# Allegro board LED_FIN.brd (continued)
## Routing (per net, layer and track width the routed paths; a pad name or vN(x,y) marks a point on that pad's centre or on a via; arc(x,y) is an arc through that point) (continued)
COL_OUT_C48: length 257.5
  TOP w0.15: D11592.1 v1(181.25,228.8) ; D12402.1 v1(181.25,174.8) ; D11952.1 v1(181.25,204.8) ; D11682.1 v1(181.25,222.8) ; D11442.1 v1(181.25,238.8) ; D11562.1 v1(181.25,230.8) ; D12222.1 v1(181.25,186.8) ; D12462.1 v1(181.25,170.8) ; D11772.1 v1(181.25,216.8) ; D11892.1 v1(181.25,208.8) ; R312.1 180.7,10.6 v1(181.25,10.6) ; D12192.1 v1(181.25,188.8) ; D12012.1 v1(181.25,200.8) ; D11532.1 v1(181.25,232.8) ; D12492.1 v1(181.25,168.8) ; D11862.1 v1(181.25,210.8) ; D11742.1 v1(181.25,218.8) ; D11652.1 v1(181.25,224.8) ; D12102.1 v1(181.25,194.8) ; D12342.1 v1(181.25,178.8) ; D12522.1 v1(181.25,166.8) ; D12312.1 v1(181.25,180.8) ; D12432.1 v1(181.25,172.8) ; D11802.1 v1(181.25,214.8) ; D12162.1 v1(181.25,190.8) ; D11712.1 v1(181.25,220.8) ; D11472.1 v1(181.25,236.8) ; D12372.1 v1(181.25,176.8) ; D12252.1 v1(181.25,184.8) ; D12042.1 v1(181.25,198.8) ; D11502.1 v1(181.25,234.8) ; D11412.1 v1(181.25,240.8) ; D11922.1 v1(181.25,206.8) ; D12282.1 v1(181.25,182.8) ; D11622.1 v1(181.25,226.8) ; D12072.1 v1(181.25,196.8) ; D12132.1 v1(181.25,192.8) ; D11982.1 v1(181.25,202.8) ; D11832.1 v1(181.25,212.8)
  BOTTOM w0.15: v1(181.25,10.6) 181.38,10.73 181.38,41.77 181.28,41.87 181.28,166.77 v1(181.25,166.8) v1(181.25,168.8) v1(181.25,170.8) v1(181.25,172.8) v1(181.25,174.8) v1(181.25,176.8) v1(181.25,178.8) v1(181.25,180.8) v1(181.25,182.8) v1(181.25,184.8) v1(181.25,186.8) v1(181.25,188.8) v1(181.25,190.8) v1(181.25,192.8) v1(181.25,194.8) v1(181.25,196.8) v1(181.25,198.8) v1(181.25,200.8) v1(181.25,202.8) v1(181.25,204.8) v1(181.25,206.8) v1(181.25,208.8) v1(181.25,210.8) v1(181.25,212.8) v1(181.25,214.8) v1(181.25,216.8) v1(181.25,218.8) v1(181.25,220.8) v1(181.25,222.8) v1(181.25,224.8) v1(181.25,226.8) v1(181.25,228.8) v1(181.25,230.8) v1(181.25,232.8) v1(181.25,234.8) v1(181.25,236.8) v1(181.25,238.8) v1(181.25,240.8)
COL_OUT_C49: length 258
  TOP w0.15: D12071.1 v1(179.25,196.8) ; D11561.1 v1(179.25,230.8) ; D11501.1 v1(179.25,234.8) ; D11921.1 v1(179.25,206.8) ; D11531.1 v1(179.25,232.8) ; D11951.1 v1(179.25,204.8) ; D12371.1 v1(179.25,176.8) ; D12431.1 v1(179.25,172.8) ; D11741.1 v1(179.25,218.8) ; D12341.1 v1(179.25,178.8) ; D12311.1 v1(179.25,180.8) ; D12041.1 v1(179.25,198.8) ; D12491.1 v1(179.25,168.8) ; D11441.1 v1(179.25,238.8) ; D12191.1 v1(179.25,188.8) ; D12101.1 v1(179.25,194.8) ; D11471.1 v1(179.25,236.8) ; D12401.1 v1(179.25,174.8) ; D12011.1 v1(179.25,200.8) ; D12281.1 v1(179.25,182.8) ; D12521.1 v1(179.25,166.8) ; D12461.1 v1(179.25,170.8) ; D11771.1 v1(179.25,216.8) ; D11801.1 v1(179.25,214.8) ; D11681.1 v1(179.25,222.8) ; D11621.1 v1(179.25,226.8) ; D11711.1 v1(179.25,220.8) ; D12221.1 v1(179.25,186.8) ; D11981.1 v1(179.25,202.8) ; D12161.1 v1(179.25,190.8) ; D12131.1 v1(179.25,192.8) ; R311.1 178.7,10.6 v1(179.25,10.6) ; D11861.1 v1(179.25,210.8) ; D12251.1 v1(179.25,184.8) ; D11411.1 v1(179.25,240.8) ; D11651.1 v1(179.25,224.8) ; D11831.1 v1(179.25,212.8) ; D11591.1 v1(179.25,228.8) ; D11891.1 v1(179.25,208.8)
  BOTTOM w0.15: v1(179.25,10.6) 179.25,11.1 178.91,11.44 178.91,41.77 179.16,42.02 179.16,129.63 178.81,129.98 178.81,131.75 179.25,132.19 v1(179.25,166.8) v1(179.25,168.8) v1(179.25,170.8) v1(179.25,172.8) v1(179.25,174.8) v1(179.25,176.8) v1(179.25,178.8) v1(179.25,180.8) v1(179.25,182.8) v1(179.25,184.8) v1(179.25,186.8) v1(179.25,188.8) v1(179.25,190.8) v1(179.25,192.8) v1(179.25,194.8) v1(179.25,196.8) v1(179.25,198.8) v1(179.25,200.8) v1(179.25,202.8) v1(179.25,204.8) v1(179.25,206.8) v1(179.25,208.8) v1(179.25,210.8) v1(179.25,212.8) v1(179.25,214.8) v1(179.25,216.8) v1(179.25,218.8) v1(179.25,220.8) v1(179.25,222.8) v1(179.25,224.8) v1(179.25,226.8) v1(179.25,228.8) v1(179.25,230.8) v1(179.25,232.8) v1(179.25,234.8) v1(179.25,236.8) v1(179.25,238.8) v1(179.25,240.8)
COL_OUT_C50: length 257.7
  TOP w0.15: D12010.1 v1(177.25,200.8) ; D11440.1 v1(177.25,238.8) ; D11890.1 v1(177.25,208.8) ; D11500.1 v1(177.25,234.8) ; D12340.1 v1(177.25,178.8) ; D12160.1 v1(177.25,190.8) ; R310.1 176.7,10.6 v1(177.25,10.6) ; D11710.1 v1(177.25,220.8) ; D11830.1 v1(177.25,212.8) ; D11530.1 v1(177.25,232.8) ; D11680.1 v1(177.25,222.8) ; D11770.1 v1(177.25,216.8) ; D11860.1 v1(177.25,210.8) ; D11410.1 v1(177.25,240.8) ; D12490.1 v1(177.25,168.8) ; D12130.1 v1(177.25,192.8) ; D12400.1 v1(177.25,174.8) ; D11470.1 v1(177.25,236.8) ; D12070.1 v1(177.25,196.8) ; D12520.1 v1(177.25,166.8) ; D12100.1 v1(177.25,194.8) ; D11740.1 v1(177.25,218.8) ; D12220.1 v1(177.25,186.8) ; D12190.1 v1(177.25,188.8) ; D12040.1 v1(177.25,198.8) ; D11980.1 v1(177.25,202.8) ; D11620.1 v1(177.25,226.8) ; D12430.1 v1(177.25,172.8) ; D12310.1 v1(177.25,180.8) ; D12250.1 v1(177.25,184.8) ; D11950.1 v1(177.25,204.8) ; D11590.1 v1(177.25,228.8) ; D11560.1 v1(177.25,230.8) ; D11920.1 v1(177.25,206.8) ; D12460.1 v1(177.25,170.8) ; D12370.1 v1(177.25,176.8) ; D12280.1 v1(177.25,182.8) ; D11650.1 v1(177.25,224.8) ; D11800.1 v1(177.25,214.8)
  BOTTOM w0.15: v1(177.25,10.6) 177.25,11.1 177.57,11.42 177.57,41.77 177.47,41.87 177.47,131.75 177.25,131.97 v1(177.25,166.8) v1(177.25,168.8) v1(177.25,170.8) v1(177.25,172.8) v1(177.25,174.8) v1(177.25,176.8) v1(177.25,178.8) v1(177.25,180.8) v1(177.25,182.8) v1(177.25,184.8) v1(177.25,186.8) v1(177.25,188.8) v1(177.25,190.8) v1(177.25,192.8) v1(177.25,194.8) v1(177.25,196.8) v1(177.25,198.8) v1(177.25,200.8) v1(177.25,202.8) v1(177.25,204.8) v1(177.25,206.8) v1(177.25,208.8) v1(177.25,210.8) v1(177.25,212.8) v1(177.25,214.8) v1(177.25,216.8) v1(177.25,218.8) v1(177.25,220.8) v1(177.25,222.8) v1(177.25,224.8) v1(177.25,226.8) v1(177.25,228.8) v1(177.25,230.8) v1(177.25,232.8) v1(177.25,234.8) v1(177.25,236.8) v1(177.25,238.8) v1(177.25,240.8)
COL_OUT_C51: length 257.6
  TOP w0.15: D12009.1 v1(175.25,200.8) ; R309.1 174.7,10.6 v1(175.25,10.6) ; D11859.1 v1(175.25,210.8) ; D11829.1 v1(175.25,212.8) ; D11469.1 v1(175.25,236.8) ; D11559.1 v1(175.25,230.8) ; D12339.1 v1(175.25,178.8) ; D11499.1 v1(175.25,234.8) ; D11739.1 v1(175.25,218.8) ; D12189.1 v1(175.25,188.8) ; D11679.1 v1(175.25,222.8) ; D11889.1 v1(175.25,208.8) ; D11979.1 v1(175.25,202.8) ; D11799.1 v1(175.25,214.8) ; D12129.1 v1(175.25,192.8) ; D12099.1 v1(175.25,194.8) ; D11619.1 v1(175.25,226.8) ; D11709.1 v1(175.25,220.8) ; D12249.1 v1(175.25,184.8) ; D11439.1 v1(175.25,238.8) ; D12459.1 v1(175.25,170.8) ; D12309.1 v1(175.25,180.8) ; D12489.1 v1(175.25,168.8) ; D12369.1 v1(175.25,176.8) ; D11769.1 v1(175.25,216.8) ; D12519.1 v1(175.25,166.8) ; D12039.1 v1(175.25,198.8) ; D12279.1 v1(175.25,182.8) ; D11589.1 v1(175.25,228.8) ; D11919.1 v1(175.25,206.8) ; D11529.1 v1(175.25,232.8) ; D12069.1 v1(175.25,196.8) ; D11649.1 v1(175.25,224.8) ; D11409.1 v1(175.25,240.8) ; D12429.1 v1(175.25,172.8) ; D11949.1 v1(175.25,204.8) ; D12219.1 v1(175.25,186.8) ; D12159.1 v1(175.25,190.8) ; D12399.1 v1(175.25,174.8)
  BOTTOM w0.15: v1(175.25,240.8) v1(175.25,238.8) v1(175.25,236.8) v1(175.25,234.8) v1(175.25,232.8) v1(175.25,230.8) v1(175.25,228.8) v1(175.25,226.8) v1(175.25,224.8) v1(175.25,222.8) v1(175.25,220.8) v1(175.25,218.8) v1(175.25,216.8) v1(175.25,214.8) v1(175.25,212.8) v1(175.25,210.8) v1(175.25,208.8) v1(175.25,206.8) v1(175.25,204.8) v1(175.25,202.8) v1(175.25,200.8) v1(175.25,198.8) v1(175.25,196.8) v1(175.25,194.8) v1(175.25,192.8) v1(175.25,190.8) v1(175.25,188.8) v1(175.25,186.8) v1(175.25,184.8) v1(175.25,182.8) v1(175.25,180.8) v1(175.25,178.8) v1(175.25,176.8) v1(175.25,174.8) v1(175.25,172.8) v1(175.25,170.8) v1(175.25,168.8) v1(175.25,166.8) 175.25,132 175,131.75 175,129.98 175.1,129.88 175.1,10.75 v1(175.25,10.6)
COL_OUT_C52: length 258.1
  TOP w0.15: D11678.1 v1(173.25,222.8) ; D11708.1 v1(173.25,220.8) ; D11828.1 v1(173.25,212.8) ; D11558.1 v1(173.25,230.8) ; D12068.1 v1(173.25,196.8) ; D11768.1 v1(173.25,216.8) ; D11498.1 v1(173.25,234.8) ; D11588.1 v1(173.25,228.8) ; D11978.1 v1(173.25,202.8) ; D12338.1 v1(173.25,178.8) ; D11738.1 v1(173.25,218.8) ; D12488.1 v1(173.25,168.8) ; D12248.1 v1(173.25,184.8) ; D12098.1 v1(173.25,194.8) ; D11798.1 v1(173.25,214.8) ; D12218.1 v1(173.25,186.8) ; D12398.1 v1(173.25,174.8) ; D11858.1 v1(173.25,210.8) ; D12458.1 v1(173.25,170.8) ; D12158.1 v1(173.25,190.8) ; D11648.1 v1(173.25,224.8) ; D12188.1 v1(173.25,188.8) ; D11408.1 v1(173.25,240.8) ; D11528.1 v1(173.25,232.8) ; D12038.1 v1(173.25,198.8) ; D12128.1 v1(173.25,192.8) ; D12518.1 v1(173.25,166.8) ; D12278.1 v1(173.25,182.8) ; D11618.1 v1(173.25,226.8) ; D12368.1 v1(173.25,176.8) ; D11468.1 v1(173.25,236.8) ; D12308.1 v1(173.25,180.8) ; D12008.1 v1(173.25,200.8) ; D11918.1 v1(173.25,206.8) ; D11948.1 v1(173.25,204.8) ; D12428.1 v1(173.25,172.8) ; R308.1 172.7,10.6 v1(173.25,10.6) ; D11438.1 v1(173.25,238.8) ; D11888.1 v1(173.25,208.8)
  BOTTOM w0.15: v1(173.25,240.8) v1(173.25,238.8) v1(173.25,236.8) v1(173.25,234.8) v1(173.25,232.8) v1(173.25,230.8) v1(173.25,228.8) v1(173.25,226.8) v1(173.25,224.8) v1(173.25,222.8) v1(173.25,220.8) v1(173.25,218.8) v1(173.25,216.8) v1(173.25,214.8) v1(173.25,212.8) v1(173.25,210.8) v1(173.25,208.8) v1(173.25,206.8) v1(173.25,204.8) v1(173.25,202.8) v1(173.25,200.8) v1(173.25,198.8) v1(173.25,196.8) v1(173.25,194.8) v1(173.25,192.8) v1(173.25,190.8) v1(173.25,188.8) v1(173.25,186.8) v1(173.25,184.8) v1(173.25,182.8) v1(173.25,180.8) v1(173.25,178.8) v1(173.25,176.8) v1(173.25,174.8) v1(173.25,172.8) v1(173.25,170.8) v1(173.25,168.8) v1(173.25,166.8) 173.25,132.16 173.66,131.75 173.66,129.98 173.41,129.73 173.41,42.12 173.76,41.77 173.76,40 173.25,39.49 v1(173.25,10.6)
COL_OUT_C53: length 257.5
  TOP w0.15: D12337.1 v1(171.25,178.8) ; D11647.1 v1(171.25,224.8) ; D11557.1 v1(171.25,230.8) ; R307.1 170.7,10.6 v1(171.25,10.6) ; D12397.1 v1(171.25,174.8) ; D12157.1 v1(171.25,190.8) ; D12247.1 v1(171.25,184.8) ; D12457.1 v1(171.25,170.8) ; D12367.1 v1(171.25,176.8) ; D11587.1 v1(171.25,228.8) ; D11767.1 v1(171.25,216.8) ; D12487.1 v1(171.25,168.8) ; D11797.1 v1(171.25,214.8) ; D12187.1 v1(171.25,188.8) ; D11737.1 v1(171.25,218.8) ; D11707.1 v1(171.25,220.8) ; D12127.1 v1(171.25,192.8) ; D11407.1 v1(171.25,240.8) ; D11827.1 v1(171.25,212.8) ; D11977.1 v1(171.25,202.8) ; D11947.1 v1(171.25,204.8) ; D12067.1 v1(171.25,196.8) ; D11437.1 v1(171.25,238.8) ; D11527.1 v1(171.25,232.8) ; D11677.1 v1(171.25,222.8) ; D12277.1 v1(171.25,182.8) ; D12037.1 v1(171.25,198.8) ; D12007.1 v1(171.25,200.8) ; D12097.1 v1(171.25,194.8) ; D12307.1 v1(171.25,180.8) ; D12427.1 v1(171.25,172.8) ; D11497.1 v1(171.25,234.8) ; D11617.1 v1(171.25,226.8) ; D11857.1 v1(171.25,210.8) ; D12217.1 v1(171.25,186.8) ; D11917.1 v1(171.25,206.8) ; D11467.1 v1(171.25,236.8) ; D12517.1 v1(171.25,166.8) ; D11887.1 v1(171.25,208.8)
  BOTTOM w0.15: v1(171.25,240.8) v1(171.25,238.8) v1(171.25,236.8) v1(171.25,234.8) v1(171.25,232.8) v1(171.25,230.8) v1(171.25,228.8) v1(171.25,226.8) v1(171.25,224.8) v1(171.25,222.8) v1(171.25,220.8) v1(171.25,218.8) v1(171.25,216.8) v1(171.25,214.8) v1(171.25,212.8) v1(171.25,210.8) v1(171.25,208.8) v1(171.25,206.8) v1(171.25,204.8) v1(171.25,202.8) v1(171.25,200.8) v1(171.25,198.8) v1(171.25,196.8) v1(171.25,194.8) v1(171.25,192.8) v1(171.25,190.8) v1(171.25,188.8) v1(171.25,186.8) v1(171.25,184.8) v1(171.25,182.8) v1(171.25,180.8) v1(171.25,178.8) v1(171.25,176.8) v1(171.25,174.8) v1(171.25,172.8) v1(171.25,170.8) v1(171.25,168.8) v1(171.25,166.8) 171.19,166.74 171.19,129.98 171.25,129.92 v1(171.25,10.6)
COL_OUT_C54: length 258.2
  TOP w0.15: D11796.1 v1(169.25,214.8) ; D11466.1 v1(169.25,236.8) ; D12396.1 v1(169.25,174.8) ; D11856.1 v1(169.25,210.8) ; D12006.1 v1(169.25,200.8) ; D11976.1 v1(169.25,202.8) ; D12036.1 v1(169.25,198.8) ; D11496.1 v1(169.25,234.8) ; D12156.1 v1(169.25,190.8) ; D11436.1 v1(169.25,238.8) ; D11526.1 v1(169.25,232.8) ; D11706.1 v1(169.25,220.8) ; D12216.1 v1(169.25,186.8) ; D12516.1 v1(169.25,166.8) ; D12306.1 v1(169.25,180.8) ; D12096.1 v1(169.25,194.8) ; D11736.1 v1(169.25,218.8) ; D11586.1 v1(169.25,228.8) ; D12276.1 v1(169.25,182.8) ; D11766.1 v1(169.25,216.8) ; D12366.1 v1(169.25,176.8) ; D11826.1 v1(169.25,212.8) ; D11616.1 v1(169.25,226.8) ; D12336.1 v1(169.25,178.8) ; D11916.1 v1(169.25,206.8) ; D12486.1 v1(169.25,168.8) ; D11946.1 v1(169.25,204.8) ; D11556.1 v1(169.25,230.8) ; D12426.1 v1(169.25,172.8) ; D11406.1 v1(169.25,240.8) ; D11646.1 v1(169.25,224.8) ; D12126.1 v1(169.25,192.8) ; D12186.1 v1(169.25,188.8) ; D11886.1 v1(169.25,208.8) ; D11676.1 v1(169.25,222.8) ; R306.1 168.7,10.6 v1(169.25,10.6) ; D12246.1 v1(169.25,184.8) ; D12066.1 v1(169.25,196.8) ; D12456.1 v1(169.25,170.8)
  BOTTOM w0.15: v1(169.25,240.8) v1(169.25,238.8) v1(169.25,236.8) v1(169.25,234.8) v1(169.25,232.8) v1(169.25,230.8) v1(169.25,228.8) v1(169.25,226.8) v1(169.25,224.8) v1(169.25,222.8) v1(169.25,220.8) v1(169.25,218.8) v1(169.25,216.8) v1(169.25,214.8) v1(169.25,212.8) v1(169.25,210.8) v1(169.25,208.8) v1(169.25,206.8) v1(169.25,204.8) v1(169.25,202.8) v1(169.25,200.8) v1(169.25,198.8) v1(169.25,196.8) v1(169.25,194.8) v1(169.25,192.8) v1(169.25,190.8) v1(169.25,188.8) v1(169.25,186.8) v1(169.25,184.8) v1(169.25,182.8) v1(169.25,180.8) v1(169.25,178.8) v1(169.25,176.8) v1(169.25,174.8) v1(169.25,172.8) v1(169.25,170.8) v1(169.25,168.8) v1(169.25,166.8) 169.25,132.35 168.65,131.75 168.65,129.98 169.1,129.53 169.1,42.12 168.75,41.77 168.75,11.1 v1(169.25,10.6)
COL_OUT_C55: length 257.6
  TOP w0.15: D12125.1 v1(167.25,192.8) ; D11735.1 v1(167.25,218.8) ; R305.1 166.7,10.6 v1(167.25,10.6) ; D11525.1 v1(167.25,232.8) ; D12215.1 v1(167.25,186.8) ; D12275.1 v1(167.25,182.8) ; D12245.1 v1(167.25,184.8) ; D11915.1 v1(167.25,206.8) ; D12155.1 v1(167.25,190.8) ; D12395.1 v1(167.25,174.8) ; D11675.1 v1(167.25,222.8) ; D11555.1 v1(167.25,230.8) ; D11885.1 v1(167.25,208.8) ; D11705.1 v1(167.25,220.8) ; D12425.1 v1(167.25,172.8) ; D11435.1 v1(167.25,238.8) ; D11825.1 v1(167.25,212.8) ; D11495.1 v1(167.25,234.8) ; D11795.1 v1(167.25,214.8) ; D11765.1 v1(167.25,216.8) ; D11465.1 v1(167.25,236.8) ; D12455.1 v1(167.25,170.8) ; D11975.1 v1(167.25,202.8) ; D11585.1 v1(167.25,228.8) ; D12305.1 v1(167.25,180.8) ; D12515.1 v1(167.25,166.8) ; D11855.1 v1(167.25,210.8) ; D12185.1 v1(167.25,188.8) ; D12365.1 v1(167.25,176.8) ; D11405.1 v1(167.25,240.8) ; D12035.1 v1(167.25,198.8) ; D12095.1 v1(167.25,194.8) ; D11615.1 v1(167.25,226.8) ; D12065.1 v1(167.25,196.8) ; D11945.1 v1(167.25,204.8) ; D12005.1 v1(167.25,200.8) ; D12485.1 v1(167.25,168.8) ; D12335.1 v1(167.25,178.8) ; D11645.1 v1(167.25,224.8)
  BOTTOM w0.15: v1(167.25,10.6) 167.41,10.76 167.41,41.77 167.31,41.87 167.31,166.74 v1(167.25,166.8) v1(167.25,168.8) v1(167.25,170.8) v1(167.25,172.8) v1(167.25,174.8) v1(167.25,176.8) v1(167.25,178.8) v1(167.25,180.8) v1(167.25,182.8) v1(167.25,184.8) v1(167.25,186.8) v1(167.25,188.8) v1(167.25,190.8) v1(167.25,192.8) v1(167.25,194.8) v1(167.25,196.8) v1(167.25,198.8) v1(167.25,200.8) v1(167.25,202.8) v1(167.25,204.8) v1(167.25,206.8) v1(167.25,208.8) v1(167.25,210.8) v1(167.25,212.8) v1(167.25,214.8) v1(167.25,216.8) v1(167.25,218.8) v1(167.25,220.8) v1(167.25,222.8) v1(167.25,224.8) v1(167.25,226.8) v1(167.25,228.8) v1(167.25,230.8) v1(167.25,232.8) v1(167.25,234.8) v1(167.25,236.8) v1(167.25,238.8) v1(167.25,240.8)
COL_OUT_C56: length 258
  TOP w0.15: D12364.1 v1(165.25,176.8) ; D12424.1 v1(165.25,172.8) ; D12454.1 v1(165.25,170.8) ; D11794.1 v1(165.25,214.8) ; D11674.1 v1(165.25,222.8) ; D12484.1 v1(165.25,168.8) ; D11524.1 v1(165.25,232.8) ; D12394.1 v1(165.25,174.8) ; D12004.1 v1(165.25,200.8) ; D11644.1 v1(165.25,224.8) ; D11854.1 v1(165.25,210.8) ; D11614.1 v1(165.25,226.8) ; D11914.1 v1(165.25,206.8) ; D12124.1 v1(165.25,192.8) ; D11974.1 v1(165.25,202.8) ; D11554.1 v1(165.25,230.8) ; D12514.1 v1(165.25,166.8) ; D12244.1 v1(165.25,184.8) ; v1(165.25,10.6) 164.7,10.6 R304.1 ; D11464.1 v1(165.25,236.8) ; D11824.1 v1(165.25,212.8) ; D12274.1 v1(165.25,182.8) ; D11764.1 v1(165.25,216.8) ; D12214.1 v1(165.25,186.8) ; D12154.1 v1(165.25,190.8) ; D11584.1 v1(165.25,228.8) ; D11944.1 v1(165.25,204.8) ; D11884.1 v1(165.25,208.8) ; D12304.1 v1(165.25,180.8) ; D11404.1 v1(165.25,240.8) ; D11704.1 v1(165.25,220.8) ; D12034.1 v1(165.25,198.8) ; D11434.1 v1(165.25,238.8) ; D12334.1 v1(165.25,178.8) ; D12094.1 v1(165.25,194.8) ; D11734.1 v1(165.25,218.8) ; D12184.1 v1(165.25,188.8) ; D12064.1 v1(165.25,196.8) ; D11494.1 v1(165.25,234.8)
  BOTTOM w0.15: v1(165.25,240.8) v1(165.25,238.8) v1(165.25,236.8) v1(165.25,234.8) v1(165.25,232.8) v1(165.25,230.8) v1(165.25,228.8) v1(165.25,226.8) v1(165.25,224.8) v1(165.25,222.8) v1(165.25,220.8) v1(165.25,218.8) v1(165.25,216.8) v1(165.25,214.8) v1(165.25,212.8) v1(165.25,210.8) v1(165.25,208.8) v1(165.25,206.8) v1(165.25,204.8) v1(165.25,202.8) v1(165.25,200.8) v1(165.25,198.8) v1(165.25,196.8) v1(165.25,194.8) v1(165.25,192.8) v1(165.25,190.8) v1(165.25,188.8) v1(165.25,186.8) v1(165.25,184.8) v1(165.25,182.8) v1(165.25,180.8) v1(165.25,178.8) v1(165.25,176.8) v1(165.25,174.8) v1(165.25,172.8) v1(165.25,170.8) v1(165.25,168.8) v1(165.25,166.8) 165.25,132.16 164.84,131.75 164.84,129.98 165.19,129.63 165.19,42.02 164.94,41.77 164.94,11.41 165.25,11.1 v1(165.25,10.6)
COL_OUT_C57: length 257.7
  TOP w0.15: v1(163.25,10.6) 162.7,10.6 R303.1 ; D12153.1 v1(163.25,190.8) ; D12453.1 v1(163.25,170.8) ; D12273.1 v1(163.25,182.8) ; D11763.1 v1(163.25,216.8) ; D11613.1 v1(163.25,226.8) ; D11433.1 v1(163.25,238.8) ; D12183.1 v1(163.25,188.8) ; D11733.1 v1(163.25,218.8) ; D12393.1 v1(163.25,174.8) ; D12483.1 v1(163.25,168.8) ; D12123.1 v1(163.25,192.8) ; D11463.1 v1(163.25,236.8) ; D11553.1 v1(163.25,230.8) ; D11823.1 v1(163.25,212.8) ; D11583.1 v1(163.25,228.8) ; D11403.1 v1(163.25,240.8) ; D12363.1 v1(163.25,176.8) ; D12513.1 v1(163.25,166.8) ; D11493.1 v1(163.25,234.8) ; D11943.1 v1(163.25,204.8) ; D11913.1 v1(163.25,206.8) ; D11643.1 v1(163.25,224.8) ; D11973.1 v1(163.25,202.8) ; D11883.1 v1(163.25,208.8) ; D12093.1 v1(163.25,194.8) ; D11793.1 v1(163.25,214.8) ; D12063.1 v1(163.25,196.8) ; D12003.1 v1(163.25,200.8) ; D11703.1 v1(163.25,220.8) ; D12303.1 v1(163.25,180.8) ; D12243.1 v1(163.25,184.8) ; D11673.1 v1(163.25,222.8) ; D11853.1 v1(163.25,210.8) ; D11523.1 v1(163.25,232.8) ; D12213.1 v1(163.25,186.8) ; D12423.1 v1(163.25,172.8) ; D12333.1 v1(163.25,178.8) ; D12033.1 v1(163.25,198.8)
  BOTTOM w0.15: v1(163.25,10.6) 163.25,11.1 163.6,11.45 163.6,41.77 163.5,41.87 163.5,131.75 163.25,132 v1(163.25,166.8) v1(163.25,168.8) v1(163.25,170.8) v1(163.25,172.8) v1(163.25,174.8) v1(163.25,176.8) v1(163.25,178.8) v1(163.25,180.8) v1(163.25,182.8) v1(163.25,184.8) v1(163.25,186.8) v1(163.25,188.8) v1(163.25,190.8) v1(163.25,192.8) v1(163.25,194.8) v1(163.25,196.8) v1(163.25,198.8) v1(163.25,200.8) v1(163.25,202.8) v1(163.25,204.8) v1(163.25,206.8) v1(163.25,208.8) v1(163.25,210.8) v1(163.25,212.8) v1(163.25,214.8) v1(163.25,216.8) v1(163.25,218.8) v1(163.25,220.8) v1(163.25,222.8) v1(163.25,224.8) v1(163.25,226.8) v1(163.25,228.8) v1(163.25,230.8) v1(163.25,232.8) v1(163.25,234.8) v1(163.25,236.8) v1(163.25,238.8) v1(163.25,240.8)
COL_OUT_C58: length 257.6
  TOP w0.15: D11522.1 v1(161.25,232.8) ; R302.1 160.7,10.6 v1(161.25,10.6) ; D11822.1 v1(161.25,212.8) ; D12362.1 v1(161.25,176.8) ; D12452.1 v1(161.25,170.8) ; D12302.1 v1(161.25,180.8) ; D11642.1 v1(161.25,224.8) ; D12032.1 v1(161.25,198.8) ; D12062.1 v1(161.25,196.8) ; D11972.1 v1(161.25,202.8) ; D12332.1 v1(161.25,178.8) ; D11402.1 v1(161.25,240.8) ; D12152.1 v1(161.25,190.8) ; D11762.1 v1(161.25,216.8) ; D11672.1 v1(161.25,222.8) ; D12512.1 v1(161.25,166.8) ; D12392.1 v1(161.25,174.8) ; D12242.1 v1(161.25,184.8) ; D11612.1 v1(161.25,226.8) ; D11792.1 v1(161.25,214.8) ; D11942.1 v1(161.25,204.8) ; D11432.1 v1(161.25,238.8) ; D11732.1 v1(161.25,218.8) ; D11492.1 v1(161.25,234.8) ; D12482.1 v1(161.25,168.8) ; D11552.1 v1(161.25,230.8) ; D12422.1 v1(161.25,172.8) ; D11702.1 v1(161.25,220.8) ; D12212.1 v1(161.25,186.8) ; D11882.1 v1(161.25,208.8) ; D12272.1 v1(161.25,182.8) ; D11462.1 v1(161.25,236.8) ; D12092.1 v1(161.25,194.8) ; D11582.1 v1(161.25,228.8) ; D12182.1 v1(161.25,188.8) ; D12002.1 v1(161.25,200.8) ; D12122.1 v1(161.25,192.8) ; D11852.1 v1(161.25,210.8) ; D11912.1 v1(161.25,206.8)
  BOTTOM w0.15: v1(161.25,10.6) 161.13,10.72 161.13,129.88 161.03,129.98 161.03,131.75 161.25,131.97 v1(161.25,166.8) v1(161.25,168.8) v1(161.25,170.8) v1(161.25,172.8) v1(161.25,174.8) v1(161.25,176.8) v1(161.25,178.8) v1(161.25,180.8) v1(161.25,182.8) v1(161.25,184.8) v1(161.25,186.8) v1(161.25,188.8) v1(161.25,190.8) v1(161.25,192.8) v1(161.25,194.8) v1(161.25,196.8) v1(161.25,198.8) v1(161.25,200.8) v1(161.25,202.8) v1(161.25,204.8) v1(161.25,206.8) v1(161.25,208.8) v1(161.25,210.8) v1(161.25,212.8) v1(161.25,214.8) v1(161.25,216.8) v1(161.25,218.8) v1(161.25,220.8) v1(161.25,222.8) v1(161.25,224.8) v1(161.25,226.8) v1(161.25,228.8) v1(161.25,230.8) v1(161.25,232.8) v1(161.25,234.8) v1(161.25,236.8) v1(161.25,238.8) v1(161.25,240.8)
COL_OUT_C59: length 258.1
  TOP w0.15: D11761.1 v1(159.25,216.8) ; D12451.1 v1(159.25,170.8) ; D11911.1 v1(159.25,206.8) ; D12151.1 v1(159.25,190.8) ; D11701.1 v1(159.25,220.8) ; D12511.1 v1(159.25,166.8) ; D11851.1 v1(159.25,210.8) ; D12481.1 v1(159.25,168.8) ; D11461.1 v1(159.25,236.8) ; D12121.1 v1(159.25,192.8) ; D12061.1 v1(159.25,196.8) ; D12271.1 v1(159.25,182.8) ; D11401.1 v1(159.25,240.8) ; D12241.1 v1(159.25,184.8) ; D11641.1 v1(159.25,224.8) ; D11791.1 v1(159.25,214.8) ; D11491.1 v1(159.25,234.8) ; D12421.1 v1(159.25,172.8) ; v1(159.25,10.6) 158.7,10.6 R301.1 ; D11521.1 v1(159.25,232.8) ; D12361.1 v1(159.25,176.8) ; D11551.1 v1(159.25,230.8) ; D12211.1 v1(159.25,186.8) ; D11971.1 v1(159.25,202.8) ; D11941.1 v1(159.25,204.8) ; D12391.1 v1(159.25,174.8) ; D12001.1 v1(159.25,200.8) ; D12181.1 v1(159.25,188.8) ; D11671.1 v1(159.25,222.8) ; D12301.1 v1(159.25,180.8) ; D11431.1 v1(159.25,238.8) ; D11611.1 v1(159.25,226.8) ; D12091.1 v1(159.25,194.8) ; D11821.1 v1(159.25,212.8) ; D12031.1 v1(159.25,198.8) ; D12331.1 v1(159.25,178.8) ; D11581.1 v1(159.25,228.8) ; D11731.1 v1(159.25,218.8) ; D11881.1 v1(159.25,208.8)
  BOTTOM w0.15: v1(159.25,240.8) v1(159.25,238.8) v1(159.25,236.8) v1(159.25,234.8) v1(159.25,232.8) v1(159.25,230.8) v1(159.25,228.8) v1(159.25,226.8) v1(159.25,224.8) v1(159.25,222.8) v1(159.25,220.8) v1(159.25,218.8) v1(159.25,216.8) v1(159.25,214.8) v1(159.25,212.8) v1(159.25,210.8) v1(159.25,208.8) v1(159.25,206.8) v1(159.25,204.8) v1(159.25,202.8) v1(159.25,200.8) v1(159.25,198.8) v1(159.25,196.8) v1(159.25,194.8) v1(159.25,192.8) v1(159.25,190.8) v1(159.25,188.8) v1(159.25,186.8) v1(159.25,184.8) v1(159.25,182.8) v1(159.25,180.8) v1(159.25,178.8) v1(159.25,176.8) v1(159.25,174.8) v1(159.25,172.8) v1(159.25,170.8) v1(159.25,168.8) v1(159.25,166.8) 159.25,132.19 159.69,131.75 159.69,129.98 159.44,129.73 159.44,42.12 159.79,41.77 159.79,40 159.25,39.46 v1(159.25,10.6)
COL_OUT_C60: length 257.4
  TOP w0.15: D11160.1 v1(157.25,182.8) ; D11400.1 v1(157.25,166.8) ; D10710.1 v1(157.25,212.8) ; D10380.1 v1(157.25,234.8) ; D10890.1 v1(157.25,200.8) ; D11070.1 v1(157.25,188.8) ; D11340.1 v1(157.25,170.8) ; D11130.1 v1(157.25,184.8) ; D10560.1 v1(157.25,222.8) ; D10590.1 v1(157.25,220.8) ; D10740.1 v1(157.25,210.8) ; D10680.1 v1(157.25,214.8) ; D10800.1 v1(157.25,206.8) ; D11310.1 v1(157.25,172.8) ; D10500.1 v1(157.25,226.8) ; D11280.1 v1(157.25,174.8) ; D11190.1 v1(157.25,180.8) ; D10320.1 v1(157.25,238.8) ; D10650.1 v1(157.25,216.8) ; D11010.1 v1(157.25,192.8) ; D11040.1 v1(157.25,190.8) ; D10950.1 v1(157.25,196.8) ; R300.1 156.7,10.6 v1(157.25,10.6) ; D10410.1 v1(157.25,232.8) ; D11370.1 v1(157.25,168.8) ; D10620.1 v1(157.25,218.8) ; D11220.1 v1(157.25,178.8) ; D10440.1 v1(157.25,230.8) ; D10350.1 v1(157.25,236.8) ; D10830.1 v1(157.25,204.8) ; D10290.1 v1(157.25,240.8) ; D11100.1 v1(157.25,186.8) ; D10920.1 v1(157.25,198.8) ; D10860.1 v1(157.25,202.8) ; D10980.1 v1(157.25,194.8) ; D10470.1 v1(157.25,228.8) ; D11250.1 v1(157.25,176.8) ; D10530.1 v1(157.25,224.8) ; D10770.1 v1(157.25,208.8)
  BOTTOM w0.15: v1(157.25,10.6) 157.25,129.95 157.22,129.98 157.22,166.77 v1(157.25,166.8) v1(157.25,168.8) v1(157.25,170.8) v1(157.25,172.8) v1(157.25,174.8) v1(157.25,176.8) v1(157.25,178.8) v1(157.25,180.8) v1(157.25,182.8) v1(157.25,184.8) v1(157.25,186.8) v1(157.25,188.8) v1(157.25,190.8) v1(157.25,192.8) v1(157.25,194.8) v1(157.25,196.8) v1(157.25,198.8) v1(157.25,200.8) v1(157.25,202.8) v1(157.25,204.8) v1(157.25,206.8) v1(157.25,208.8) v1(157.25,210.8) v1(157.25,212.8) v1(157.25,214.8) v1(157.25,216.8) v1(157.25,218.8) v1(157.25,220.8) v1(157.25,222.8) v1(157.25,224.8) v1(157.25,226.8) v1(157.25,228.8) v1(157.25,230.8) v1(157.25,232.8) v1(157.25,234.8) v1(157.25,236.8) v1(157.25,238.8) v1(157.25,240.8)
COL_OUT_C61: length 258.2
  TOP w0.15: D10619.1 v1(155.25,218.8) ; D10589.1 v1(155.25,220.8) ; D10529.1 v1(155.25,224.8) ; D11399.1 v1(155.25,166.8) ; D10469.1 v1(155.25,228.8) ; D11279.1 v1(155.25,174.8) ; D10379.1 v1(155.25,234.8) ; D10799.1 v1(155.25,206.8) ; v1(155.25,10.6) 154.7,10.6 R299.1 ; D10679.1 v1(155.25,214.8) ; D11249.1 v1(155.25,176.8) ; D10499.1 v1(155.25,226.8) ; D11039.1 v1(155.25,190.8) ; D10859.1 v1(155.25,202.8) ; D11309.1 v1(155.25,172.8) ; D10829.1 v1(155.25,204.8) ; D10709.1 v1(155.25,212.8) ; D11369.1 v1(155.25,168.8) ; D10949.1 v1(155.25,196.8) ; D11339.1 v1(155.25,170.8) ; D10739.1 v1(155.25,210.8) ; D11129.1 v1(155.25,184.8) ; D10439.1 v1(155.25,230.8) ; D10889.1 v1(155.25,200.8) ; D10289.1 v1(155.25,240.8) ; D11099.1 v1(155.25,186.8) ; D10769.1 v1(155.25,208.8) ; D10409.1 v1(155.25,232.8) ; D11069.1 v1(155.25,188.8) ; D10559.1 v1(155.25,222.8) ; D10649.1 v1(155.25,216.8) ; D10919.1 v1(155.25,198.8) ; D11159.1 v1(155.25,182.8) ; D10319.1 v1(155.25,238.8) ; D11219.1 v1(155.25,178.8) ; D11009.1 v1(155.25,192.8) ; D10979.1 v1(155.25,194.8) ; D11189.1 v1(155.25,180.8) ; D10349.1 v1(155.25,236.8)